# Altium PCB ps32-lite_rev_a_public.pcbdoc (part 1 of 3) (continued)
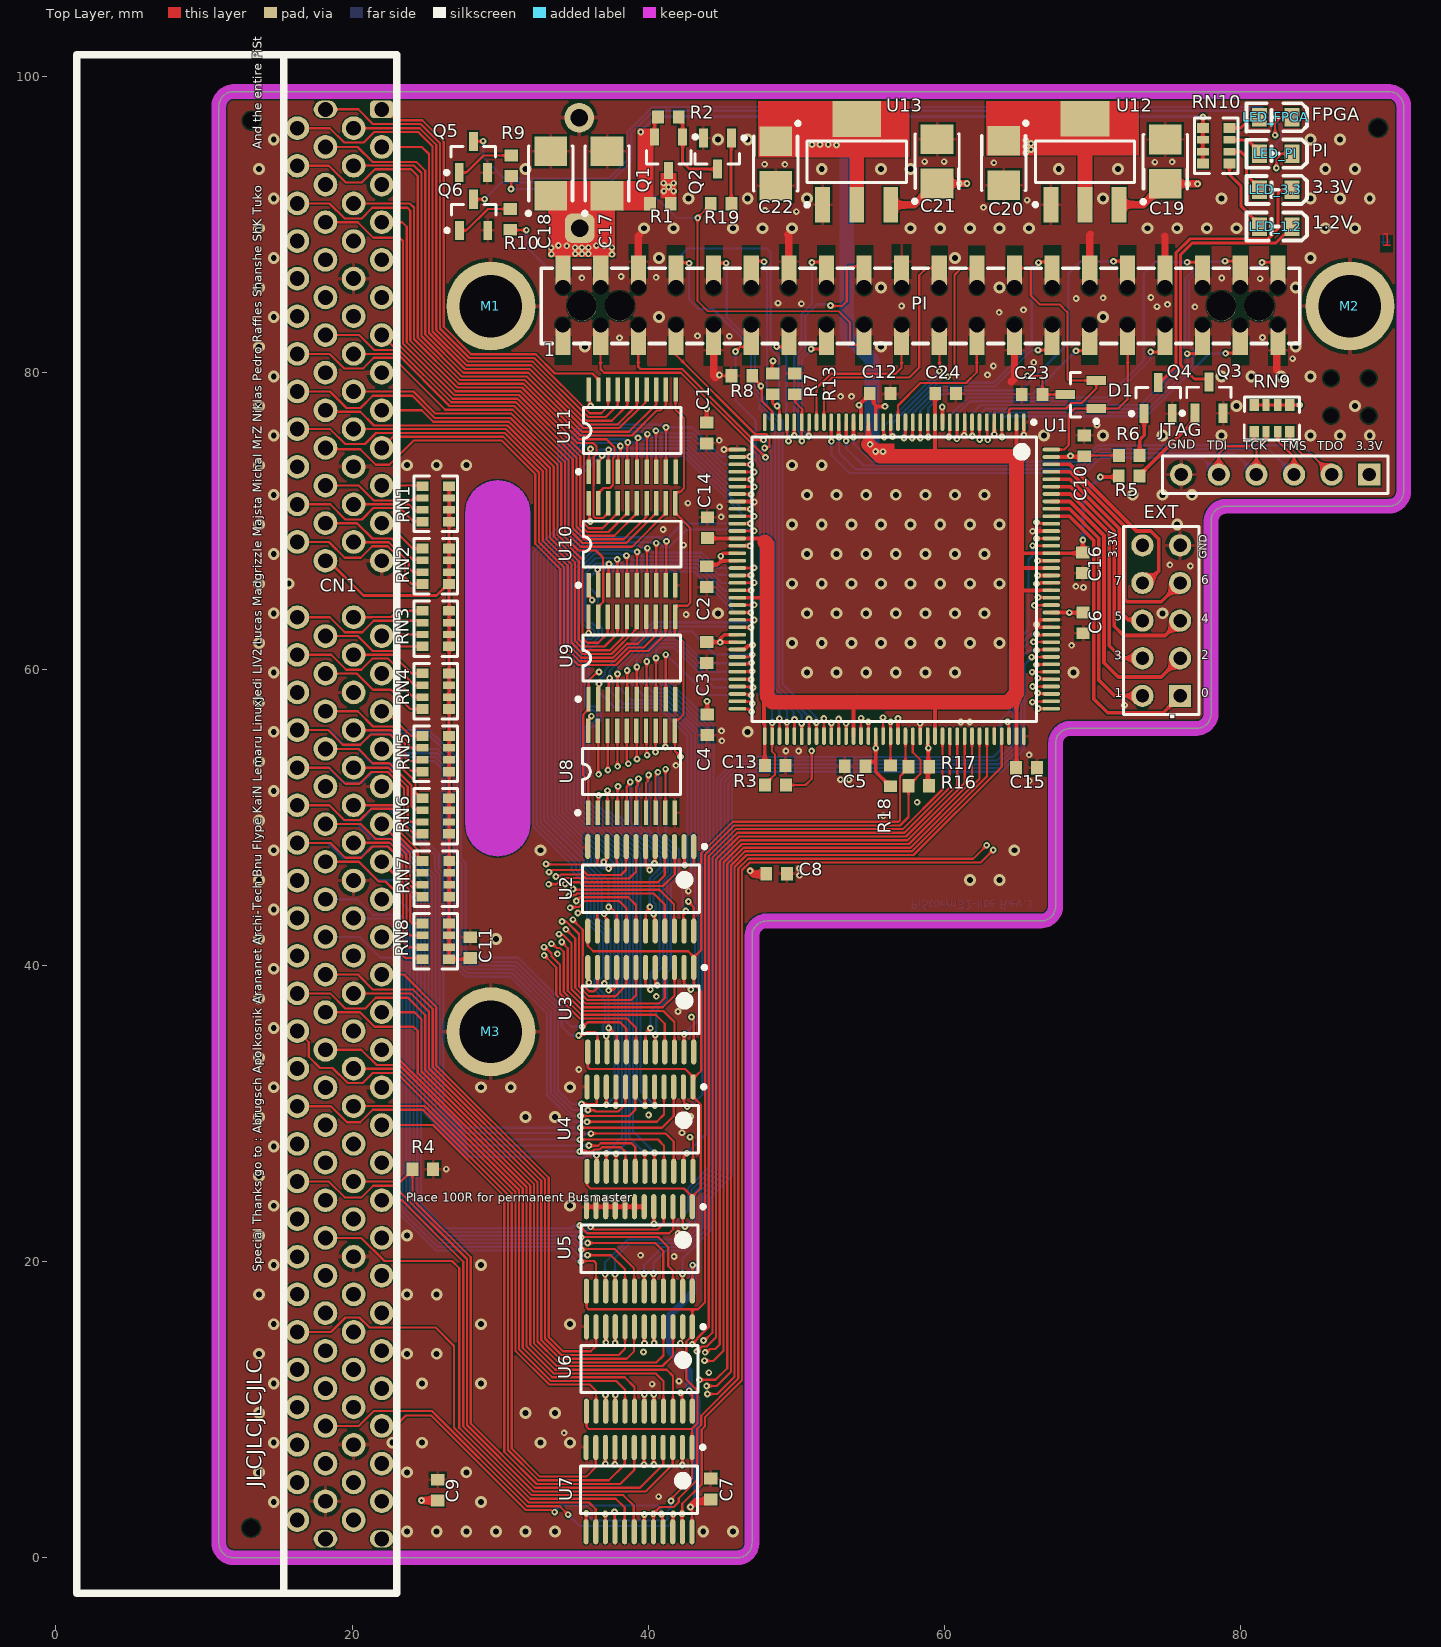
[diagram p0: Top Layer view]
## Footprints (in the part's own frame and the unit in brackets; to place one, negate y for a bottom-side part, rotate by r counter-clockwise, add the part's x,y. Pads: shape width x height; smd on the part's side, far side on the other; paste and mask are expansions set on the pad) (continued)
  silkscreen extent -100.2,-1.02 3.7,20.6, body extent -100.2,-1.02 3.68,20.57, height 8.88
CONN-SMD_FH-00369 [mm]
  rect 1.02x1.8 smd paste-0.068: 1(-24.12,-2.4) 3(-21.58,-2.4) 5(-19.04,-2.4) 7(-16.5,-2.4) 9(-13.96,-2.4) 11(-11.42,-2.4) 13(-8.88,-2.4) 15(-6.34,-2.4) 17(-3.8,-2.4) 19(-1.26,-2.4) 21(1.28,-2.4) 23(3.82,-2.4) 25(6.36,-2.4) 27(8.9,-2.4) 29(11.44,-2.4) 31(13.98,-2.4) 33(16.52,-2.4) 35(19.06,-2.4) 37(21.6,-2.4) 39(24.14,-2.4)
  rect 1.02x2 smd paste-0.071: 2(-24.12,2.4) 4(-21.58,2.4) 6(-19.04,2.4) 8(-16.5,2.4) 10(-13.96,2.4) 12(-11.42,2.4) 14(-8.88,2.4) 16(-6.34,2.4) 18(-3.8,2.4) 20(-1.26,2.4) 22(1.28,2.4) 24(3.82,2.4) 26(6.36,2.4) 28(8.9,2.4) 30(11.44,2.4) 32(13.98,2.4) 34(16.52,2.4) 36(19.06,2.4) 38(21.6,2.4) 40(24.14,2.4)
  round 0 hole 1 unplated: M(-24.141,-1.282) M(-24.119,1.259) M(-21.579,-1.281) M(-21.579,1.259) M(-19.039,-1.281) M(-19.039,1.259) M(-16.499,-1.281) M(-16.499,1.259) M(-13.959,-1.281) M(-13.959,1.259) M(-11.419,-1.281) M(-11.419,1.259) M(-8.879,-1.281) M(-8.879,1.259) M(-6.339,-1.281) M(-6.339,1.259) M(-3.799,-1.281) M(-3.799,1.259) M(-1.259,-1.281) M(-1.259,1.259) M(1.281,-1.281) M(1.281,1.259) M(3.821,-1.281) M(3.821,1.259) M(6.361,-1.281) M(6.361,1.259) M(8.901,-1.281) M(8.901,1.259) M(11.441,-1.281) M(11.441,1.259) M(13.981,-1.281) M(13.981,1.259) M(16.521,-1.281) M(16.521,1.259) M(19.061,-1.281) M(19.061,1.259) M(21.601,-1.281) M(21.601,1.259) M(24.141,-1.281) M(24.141,1.259)
  round 2 hole 2 unplated: M(-22.85,0) M(-20.311,0) M(20.329,0) M(22.87,0)
  silkscreen extent -25.59,-2.54 25.61,2.54
HDR1X6 [mm] "Connector; Header; 6 Position"
  rect 1.5x1.5 hole 0.9: 1(0,0)
  round 1.5 hole 0.9: 2(2.54,0) 3(5.08,0) 4(7.62,0) 5(10.16,0) 6(12.7,0)
  silkscreen extent -1.27,-1.27 13.97,1.27
HDR2X5 [mm] "Connector; Header; 5x2 Position"
  rect 1.5x1.5 hole 0.9: 1(0,0)
  round 1.5 hole 0.9: 2(0,2.54) 3(2.54,0) 4(2.54,2.54) 5(5.08,0) 6(5.08,2.54) 7(7.62,0) 8(7.62,2.54) 9(10.16,0) 10(10.16,2.54)
  silkscreen extent -1.27,-1.27 11.43,3.81
LED0805-RD [mm]
  rect 1x1.25 smd: 1(-1.1,0) 2(1.1,0)
  silkscreen extent -2.1,-0.95 1.98,0.96
LQFP144 [mm] "TSQFP, 144-Leads, Body 20,00x20,00mm, Pitch 0,50mm, IPC High Density"
  oval 1.2x0.25 smd: 1(-10.6,8.75) 2(-10.6,8.25) 3(-10.6,7.75) 4(-10.6,7.25) 5(-10.6,6.75) 6(-10.6,6.25) 7(-10.6,5.75) 8(-10.6,5.25) 9(-10.6,4.75) 10(-10.6,4.25) 11(-10.6,3.75) 12(-10.6,3.25) 13(-10.6,2.75) 14(-10.6,2.25) 15(-10.6,1.75) 16(-10.6,1.25) 17(-10.6,0.75) 18(-10.6,0.25) 19(-10.6,-0.25) 20(-10.6,-0.75) 21(-10.6,-1.25) 22(-10.6,-1.75) 23(-10.6,-2.25) 24(-10.6,-2.75) 25(-10.6,-3.25) 26(-10.6,-3.75) 27(-10.6,-4.25) 28(-10.6,-4.75) 29(-10.6,-5.25) 30(-10.6,-5.75) 31(-10.6,-6.25) 32(-10.6,-6.75) 33(-10.6,-7.25) 34(-10.6,-7.75) 35(-10.6,-8.25) 36(-10.6,-8.75) 73(10.6,-8.75) 74(10.6,-8.25) 75(10.6,-7.75) 76(10.6,-7.25) 77(10.6,-6.75) 78(10.6,-6.25) 79(10.6,-5.75) 80(10.6,-5.25) 81(10.6,-4.75) 82(10.6,-4.25) 83(10.6,-3.75) 84(10.6,-3.25) 85(10.6,-2.75) 86(10.6,-2.25) 87(10.6,-1.75) 88(10.6,-1.25) 89(10.6,-0.75) 90(10.6,-0.25) 91(10.6,0.25) 92(10.6,0.75) 93(10.6,1.25) 94(10.6,1.75) 95(10.6,2.25) 96(10.6,2.75) 97(10.6,3.25) 98(10.6,3.75) 99(10.6,4.25) 100(10.6,4.75) 101(10.6,5.25) 102(10.6,5.75) 103(10.6,6.25) 104(10.6,6.75) 105(10.6,7.25) 106(10.6,7.75) 107(10.6,8.25) 108(10.6,8.75)
  oval 0.25x1.2 smd: 37(-8.75,-10.6) 38(-8.25,-10.6) 39(-7.75,-10.6) 40(-7.25,-10.6) 41(-6.75,-10.6) 42(-6.25,-10.6) 43(-5.75,-10.6) 44(-5.25,-10.6) 45(-4.75,-10.6) 46(-4.25,-10.6) 47(-3.75,-10.6) 48(-3.25,-10.6) 49(-2.75,-10.6) 50(-2.25,-10.6) 51(-1.75,-10.6) 52(-1.25,-10.6) 53(-0.75,-10.6) 54(-0.25,-10.6) 55(0.25,-10.6) 56(0.75,-10.6) 57(1.25,-10.6) 58(1.75,-10.6) 59(2.25,-10.6) 60(2.75,-10.6) 61(3.25,-10.6) 62(3.75,-10.6) 63(4.25,-10.6) 64(4.75,-10.6) 65(5.25,-10.6) 66(5.75,-10.6) 67(6.25,-10.6) 68(6.75,-10.6) 69(7.25,-10.6) 70(7.75,-10.6) 71(8.25,-10.6) 72(8.75,-10.6) 109(8.75,10.6) 110(8.25,10.6) 111(7.75,10.6) 112(7.25,10.6) 113(6.75,10.6) 114(6.25,10.6) 115(5.75,10.6) 116(5.25,10.6) 117(4.75,10.6) 118(4.25,10.6) 119(3.75,10.6) 120(3.25,10.6) 121(2.75,10.6) 122(2.25,10.6) 123(1.75,10.6) 124(1.25,10.6) 125(0.75,10.6) 126(0.25,10.6) 127(-0.25,10.6) 128(-0.75,10.6) 129(-1.25,10.6) 130(-1.75,10.6) 131(-2.25,10.6) 132(-2.75,10.6) 133(-3.25,10.6) 134(-3.75,10.6) 135(-4.25,10.6) 136(-4.75,10.6) 137(-5.25,10.6) 138(-5.75,10.6) 139(-6.25,10.6) 140(-6.75,10.6) 141(-7.25,10.6) 142(-7.75,10.6) 143(-8.25,10.6) 144(-8.75,10.6)
  silkscreen extent -10.72,-9.6 9.6,9.6, body extent -11,-11 11,11, height 2
Micro3_N [mm] "SOT23, 3-Leads, Body 2.9x1.3mm, Pitch 0.95mm, Lead Span 2.3mm, IPC Medium Density"
  rect 1.15x0.6 smd: 1(-1.125,0.95) 2(-1.125,-0.95) 3(1.125,0)
  silkscreen extent -1.25,-1.5 0.7,1.93, body extent -0.7,-1.5 0.7,1.5, height 1.12
MP04A_N [mm] "SOT223, 4-Leads, Body 6.5x3.5mm, Pitch 2.3mm, Lead Span 7mm, IPC Medium Density"
  rect 2.4x1 smd: 1(-2.9,2.3) 2(-2.9,0) 3(-2.9,-2.3)
  rect 2.4x3.3 smd: 4(2.9,0)
  silkscreen extent -3.02,-3.35 1.4,3.47, body extent -1.85,-3.35 1.85,3.35, height 1.8
PW020 [mm] "Shrink Small Outline; 20 Leads; Body Width 4.4 mm; Pitch 0.65 mm"
  rect 0.3x1.65 smd: 1(-2.925,-2.775) 2(-2.275,-2.775) 3(-1.625,-2.775) 4(-0.975,-2.775) 5(-0.325,-2.775) 6(0.325,-2.775) 7(0.975,-2.775) 8(1.625,-2.775) 9(2.275,-2.775) 10(2.925,-2.775) 11(2.925,2.775) 12(2.275,2.775) 13(1.625,2.775) 14(0.975,2.775) 15(0.325,2.775) 16(-0.325,2.775) 17(-0.975,2.775) 18(-1.625,2.775) 19(-2.275,2.775) 20(-2.925,2.775)
  silkscreen extent -3.75,-2.9 3.3,1.55
PW024_N [mm]
  oval 1.7x0.35 smd: 1(-2.85,3.575) 2(-2.85,2.925) 3(-2.85,2.275) 4(-2.85,1.625) 5(-2.85,0.975) 6(-2.85,0.325) 7(-2.85,-0.325) 8(-2.85,-0.975) 9(-2.85,-1.625) 10(-2.85,-2.275) 11(-2.85,-2.925) 12(-2.85,-3.575) 13(2.85,-3.575) 14(2.85,-2.925) 15(2.85,-2.275) 16(2.85,-1.625) 17(2.85,-0.975) 18(2.85,-0.325) 19(2.85,0.325) 20(2.85,0.975) 21(2.85,1.625) 22(2.85,2.275) 23(2.85,2.925) 24(2.85,3.575)
  silkscreen extent -2.97,-3.95 1.6,4.43, body extent -2.25,-3.95 2.25,3.95, height 1.2
RES-ARRAY-SMD_0603-8P-L3.2-W1.6-BL [mm]
  rect 0.65x0.8 smd: 1(-1.2,-0.9) 4(1.2,-0.9) 5(1.2,0.9) 8(-1.2,0.9)
  rect 0.5x0.8 smd: 2(-0.4,-0.9) 3(0.4,-0.9) 6(0.4,0.9) 7(-0.4,0.9)
  silkscreen extent -1.87,-1.45 1.87,1.47
SOT23_N [mm] "SOT23, 3-Leads, Body 2.9x1.3mm, Pitch 0.95mm, Lead Span 2.3mm, IPC Medium Density"
  rect 1.3x0.6 smd: 1(-1.05,0.95) 2(-1.05,-0.95) 3(1.05,0)
  silkscreen extent -1.18,-1.5 0.7,1.92, body extent -0.7,-1.5 0.7,1.5, height 1.1
T [mm] "Capacitor, SM Tantalum; Body 3.5 x 2.8 mm (LxW typ)"
  rect 2x2.2 smd: 1(-1.5,0) 2(1.5,0)
  silkscreen extent -2.82,-1.5 1.85,1.62

## Part data
C1 C2 C3 C4 C5 C6 C7 C8 C9 C10 C11 C12 C13 C14 C15 C16 C23 C24: "Capacitor (Semiconductor SIM Model)", LatestRevisionDate=29-May-2009, LatestRevisionNote="IPC-7351 Footprint Added.", PackageDescription="Chip Capacitor", PackageReference=C1206, Published=8-Jun-2000, Publisher="Altium Limited"
C17 C18 C19 C20 C21 C22: library part T491T, "Solid Tantalum Chip Capacitor, Low Profile T491 Series - Industrial Grade", PackageDocument=Mar-2001, Code_JEITA=3528-12, ComponentLink1Description="Manufacturer Link", ComponentLink1URL=http://www.kemet.com/, ComponentLink2Description=Datasheet, ComponentLink2URL=http://www.kemet.com/kemet/web/homepage/kechome.nsf/vapubfilesname/F3102TA.pdf/$file/F3102TA.pdf, DatasheetDocument=Mar-2001, LatestRevisionDate=19-Mar-2004, LatestRevisionNote="Silkscreen dimensions re-sized.", PackageReference=T, Published=17-Jul-2002, Publisher="Altium Limited"
CN1: library part A1200-EXPANSION_SLOT-SMALL-HOLES
D1: "Schottky Barrier Double Diode", ComponentLink1Description="Manufacturer Link", ComponentLink1URL=http://www.semiconductors.philips.com/, ComponentLink2Description=Datasheet, ComponentLink2URL=http://www.semiconductors.philips.com/acrobat/datasheets/BAT54_SERIES_4.pdf, DatasheetVersion=4-Mar-2002, LatestRevisionDate=12-Dec-2006, LatestRevisionNote="IPC-7351 Footprint Added.", PackageDescription="3-Pin SOT-23 Package 0.95 mm Pitch, 2.3 mm Lead Span", PackageReference=SOT23, PackageVersion=May-1999, Published=17-Sep-2003, Publisher="Altium Limited"
EXT: "Header, 5-Pin, Dual row", LatestRevisionDate=17-Jul-2002, LatestRevisionNote="Re-released for DXP Platform.", Publisher="Altium Limited"
JTAG: "Header, 6-Pin", LatestRevisionDate=17-Jul-2002, LatestRevisionNote="Re-released for DXP Platform.", Publisher="Altium Limited"
LED_1.2 LED_3.3 LED_FPGA LED_PI: BOM_JLCPCB Part Class="Basic Part", BOM_Manufacturer=NATIONSTAR, BOM_Manufacturer Part=FC-2012HRK-620D, BOM_Supplier=LCSC, BOM_Supplier Part=C84256, spicePre=L, spiceSymbolName=FC-2012HRK-620D
M1 M2 M3: library part Plug, "Plug", LatestRevisionDate=17-Jul-2002, LatestRevisionNote="Re-released for DXP Platform.", Publisher="Altium Limited"
PI: "Header, 20-Pin, Dual row", LatestRevisionDate=17-Jul-2002, LatestRevisionNote="Re-released for DXP Platform.", Publisher="Altium Limited"
Q1: "HEXFET Power MOSFET", ComponentLink1Description="Manufacturer Link", ComponentLink1URL=http://www.irf.com/, ComponentLink2Description=Datasheet, ComponentLink2URL=http://www.irf.com/product-info/datasheets/data/IRLML6401.pdf, DatasheetVersion=2-Jul-2001, PackageDescription="3-Pin SOT-23 Package 0.95 mm Pitch, 2.3 mm Lead Span", PackageReference=Micro3, PackageVersion=Jul-2001, Published=17-Sep-2003, Publisher="Altium Limited"
Q2 Q3 Q4 Q5 Q6: "NPN General-purpose Transistor", ComponentLink1Description="Manufacturer Link", ComponentLink1URL=http://www.semiconductors.philips.com/, ComponentLink2Description=Datasheet, ComponentLink2URL=http://www.semiconductors.philips.com/acrobat/datasheets/BC846_BC847_BC848_5.pdf, DatasheetVersion=4-Feb-2002, LatestRevisionDate=12-Dec-2006, LatestRevisionNote="IPC-7351 Footprint Added.", PackageDescription="3-Pin SOT-23 Package 0.95 mm Pitch, 2.3 mm Lead Span", PackageReference=SOT23, PackageVersion=May-1999, Published=17-Sep-2003, Publisher="Altium Limited"
R1 R2 R3 R4 R5 R6 R7 R8 R9 R10 R13 R19: "Widerstand", max  Betriebstemperatur="155 °C", min  Betriebstemperatur="-55 °C", Temperaturkoeffizient="100 PPM/K", Toleranz="1,00 %", AEC-Q="200 - Passive Components", Artikel=E0424-846-00, Bauform=0402, ComponentLink1Description=Datasheet, ComponentLink1URL="z.B. http://www.", HelpURL=http://de.wikipedia.org/wiki/Widerstand_(Bauelement), Materialart=KAUF, Materialkurztext="WID-ME-SMD 10K 0402 1% TK100", Materialstatus=30, Montagetechnik="SMT (Surface Mount Technology)", Nennleistung P(n)="0,0625 W", Nennspannung U(n)="50,00 V", Nennwiderstand R(n) in Ohm="10.000,0000 Ohm", ROHS-Konformitaet=RoHS-Konform, Technologie=Metalloxid, Verpackungsart="TR (Tape & Reel)", Verpackungseinheit=10.000
  R1: Bauteiltyp (Altium)=NB
  R2 R4 R5 R6 R7 R8 R9 R10 R19: Bauteiltyp (Altium)="10K 1%"
  R3 R13: Bauteiltyp (Altium)=1K
R16 R17 R18: library part 004-00008, "RES 22 OHM 1/16W 5% 0402", Manufacturer1="Stackpole Electronics", Manufacturer1 Part Number=RMCF0402JT22R0, Package="1005, EIA 0402, Chip Resistor, 2-Leads, Body 1.00x0.50mm, IPC High Density", Part Number=009-00020, Power=1/16W, Tolerance=0.05
RN1 RN2 RN3 RN4 RN5 RN6 RN7 RN8 RN9: BOM_JLCPCB Part Class="Basic Part", BOM_Manufacturer=UniOhm, BOM_Manufacturer Part=4D03WGJ0103T5E, Resistance (Ohms)=10K, BOM_Supplier=LCSC, BOM_Supplier Part=C29718, nameAlias=Resistance, spicePre=R, spiceSymbolName=4D03WGJ0103T5E
RN10: library part 10kΩ, BOM_JLCPCB Part Class="Basic Part", BOM_Manufacturer=UniOhm, BOM_Manufacturer Part=4D03WGJ0103T5E, Resistance (Ohms)=10K, BOM_Supplier=LCSC, BOM_Supplier Part=C29718, nameAlias=Resistance, spicePre=R, spiceSymbolName=4D03WGJ0103T5E
U2 U3 U4 U5 U6 U7: "10-Bit FET Bus Switch with Level Shifting", ComponentAvailability=Obsolete, ComponentLink1Description="Manufacturer Link", ComponentLink1URL=http://www.ti.com/, ComponentLink2Description=Datasheet, ComponentLink2URL=http://www-s.ti.com/sc/ds/sn74cbtd3384.pdf, DatasheetVersion=Nov-1998, LatestRevisionDate=16-Oct-2006, LatestRevisionNote="IPC-7351 Footprint Added.", PackageDescription="24-Pin Thin Small Outline Package 0.65 mm Pitch", PackageReference=PW024, PackageVersion=Feb-1999, Published=8-Jun-2000, Publisher="Altium Limited"
U8 U9 U10 U11: "Octal Transparent D-Type Latch with 3-State Outputs", ComponentAvailability=Obsolete, ComponentLink1Description="Manufacturer Link", ComponentLink1URL=http://www.ti.com/, ComponentLink2Description=Datasheet, ComponentLink2URL=http://www-s.ti.com/sc/ds/sn74lvc573a.pdf, DatasheetVersion=Jun-1998, LatestRevisionDate=04-Mar-2005, LatestRevisionNote="Stylized 3D Model Added.", PackageDescription="Shrink Small Outline; 20 Leads; Body Width 4.4 mm; Pitch 0.65 mm", PackageReference=PW020, PackageVersion=Feb-1999, Published=8-Jun-2000, Publisher="Altium Limited"
U12 U13: library part LM1117IMPX-3.3, "800mA Low-Dropout Linear Regulator, 4-pin SOT-223", Manufacturer="National Semiconductor", PackageTopMarking=XYTT*N05B, PowerWise=N, Code_IPC=SOT223-4, Code_JEDEC=TO-261-AA, ComponentLink1Description="LM1117 Datasheet", ComponentLink1URL=http://www.national.com/ds/LM/LM1117.pdf, ComponentLink2Description="LM1117 Web Page", ComponentLink2URL=http://www.national.com/pf/LM/LM1117.html, ComponentLink3Description="MP04A Package Page", ComponentLink3URL=http://www.national.com/packaging/folders/mp04a.html, CompType="LDO IC", DatasheetVersion=Apr-2006, PackageDescription="Molded SOT-223, 6.50 x 3.56 x 1.6mm Body, 4 Lead, 2.3mm Pitch", PackageReference=MP04A, PackageVersion="revB, Apr-2003", PartNumber=LM1117IMPX-3.3, PinCount=4, Published=1-Mar-2010, Publisher="Altium Limited", RoHS=N
U1: SPLIT_INST=TRUE, SWAP_INFO=(S1+S2+S3+S4+S5+S6+S7+S8+S9+S10+S11+S12+S13+S14)

## Free pads (board coordinates)
  rrect50% 2x2 hole 1.2 paste+0.148: 2(35.366,89.779)
  round 0 hole 1 unplated: 44(88.637,79.646) 45(88.637,77.106) 46(86.097,77.106) 47(86.092,79.641)
  round 0 hole 1.152 unplated paste+0.148: 49(13.172,2.016) 49(13.214,97.036) 49(89.277,96.544)
  round 2 hole 1.2 paste+0.148: 50(35.329,97.232)

## Via types
v1: diameter 0.45, hole 0.2, Top Layer to Bottom Layer, tented both sides, 430 vias
v2: diameter 0.8, hole 0.4, Top Layer to Bottom Layer, tented both sides, 210 vias

## Nets (pads, with @x,y where several pads share a name; then routed paths per layer and width w, separated by ;. In a path a pad name is that pad's centre, name@x,y a point inside that pad or via, vN(x,y) a via of type N, cw(c..) or ccw(c..) an arc to the next point about the centre after c; other vN are vias at no path point)
+5: C7.2 C8.2 C9.2 C11.2 C17.1 C18.1 CN1.P$10 CN1.P$20 CN1.P$30 CN1.P$40 CN1.P$50 CN1.P$60 CN1.P$70 CN1.P$80 CN1.P$102 CN1.P$120 CN1.P$140 pad.2 PI.2 PI.4 Q1.2 R1.2 R2.2 RN1.1 RN1.2 RN1.3 RN1.4 RN2.1 RN2.2 RN2.3 RN2.4 RN3.1 RN3.2 RN3.3 RN3.4 RN4.1 RN4.2 RN4.3 RN4.4 RN5.1 RN5.2 RN5.3 RN5.4 RN6.1 RN6.2 RN6.3 RN6.4 RN7.1 RN7.2 RN7.3 RN7.4 RN8.1 RN8.2 RN8.3 RN8.4 RN10.1 RN10.2 RN10.3 RN10.4 U2.24 U3.24 U4.24 U5.24 U6.24 U7.24 | length 174.3
  Top Layer w0.15: v1(42.701,44.313) 42.701,44.303 43.064,43.94 U2.24@43.064,42.323 ; v1(42.752,11.281) 42.752,11.214 42.969,10.996 U6.24@42.969,9.9 ; v1(42.814,28.398) 43.014,28.198 U4.24@43.014,26.096 ; v1@42.829,3.414 42.95,3.293 U7.24@42.95,1.755 ; U5.24@42.969,18.007 42.983,18.02 42.983,19.745 v1(42.996,19.759) ; U3.24@43.062,34.159 43.062,36.301
  Top Layer w0.2: CN1.P$50@18.2,67.32 18.407,67.32 20.759,64.968 25.693,64.968 26.476,65.752 RN2.1@26.551,65.752 ; RN8.1@26.551,40.427 RN8.2@26.551,41.227 RN8.3@26.551,42.027 RN6.2@26.551,49.681 RN6.3@26.551,50.481 RN5.2@26.551,53.885 RN5.3@26.551,54.685 RN4.2@26.551,58.113 RN4.3@26.551,58.913 RN3.2@26.551,62.339 RN3.3@26.551,63.139 RN2.2@26.551,66.552 RN2.3@26.551,67.352 RN1.2@26.551,70.759 RN1.3@26.551,71.559 RN1.4@26.551,72.359 ; RN8.1@26.554,40.424 C11.2@27.894,40.424 ; Q1.2@40.416,95.937 40.416,97.048 R2.2@40.658,97.289 ; RN10.4@77.44,94.145 RN10.1@77.44,96.545 77.456,96.561 v1(77.456,97.279)
  Top Layer w0.5: v1@24.689,3.878 24.695,3.872 C9.2@25.781,3.872 ; RN8.1@26.551,40.352 26.554,40.354 RN8.1@26.554,40.424 ; C11.2@27.894,40.424 C11.2@27.969,40.499 ; v1(42.842,3.433) 43.205,3.796 44.074,3.796 C7.2@44.224,3.946 ; v1(46.873,46.381) 47.101,46.153 47.808,46.153 47.879,46.082 C8.2@47.879,46.039
  Int1 (GND) w0.2: pad.2@35.366,89.779 35.506,89.639 v1(35.506,88.461)
  Int2 (PWR) w0.5: 23.614,0.85 42.206,0.85 42.842,1.487 v1(42.842,3.433) ; v1(42.996,19.759) 43.673,20.436 43.673,27.516 42.814,28.375 v1(42.814,28.398) 43.678,29.262 43.678,35.764 42.928,36.514 v1(42.917,36.514) 43.691,37.288 43.691,44.176 43.555,44.313 ; 43.398,44.313 v1(42.701,44.313) 43.791,44.313 45.859,46.381 v1(46.873,46.381)
  Bottom Layer w0.2: v1(39.488,96.272) 39.488,96.312 40.49,97.314 77.421,97.314 v1(77.456,97.279)
  Bottom Layer w0.5: v1(42.842,3.433) 43.281,3.872 43.281,10.752 v1(42.752,11.281) 42.752,12.608 41.433,13.927 41.433,16.362 42.996,17.926 v1(42.996,19.759)
  other v1: 24.684,3.868 33.449,88.02 37.544,88.015 35.506,88.042 35.947,88.044 35.064,88.051 33.433,88.455 35.061,88.466 35.949,88.458 37.536,88.458 34.49,88.589 36.487,88.599 37.034,88.605 33.919,88.611
+12: CN1.P$149
ADDR_LE: U1.89 U8.11 U9.11 U10.11 U11.11 | length 60.2
  Top Layer w0.15: U11.11@41.836,78.887 41.836,77.526 42.41,76.951 42.41,72.208 42.167,71.965 41.904,71.965 41.829,71.89 41.829,70.54 42.834,69.534 42.834,64.47 42.641,64.276 41.886,64.276 41.811,64.201 U9.11@41.811,63.526 41.79,63.506 41.79,62.422 42.366,61.847 42.366,56.915 42.056,56.606 41.867,56.606 41.792,56.531 U8.11@41.792,55.856 41.792,54.47 42.171,54.092 v1(42.176,54.092) ; v1(55.848,56.732) 55.853,56.727 55.853,55.483 U1.89@55.858,55.478
  Int2 (PWR) w0.15: v1(42.176,54.092) 37.172,52.223 37.164,52.219 36.515,51.884 36.43,51.83 36.242,51.697 36.232,51.689 36.179,51.636 36.179,51.255 36.239,51.194 36.26,51.184 36.473,51.074 54.451,51.074 55.859,52.482 55.859,56.721 v1(55.848,56.732)
ADDR_OE: R18.1 U1.90 U8.1 U9.1 U10.1 U11.1 | length 75.6
  Top Layer w0.15: U8.1@35.942,50.306 35.942,52.501 35.6,52.843 35.6,56.94 35.961,57.301 U9.1@35.961,57.976 35.961,59.224 36.435,59.699 36.476,59.699 36.584,59.806 v1(36.665,59.806) ; U10.1@35.979,65.665 35.979,64.99 36.15,64.819 36.15,64.719 v1(36.207,64.661) ; U11.1@35.986,73.337 35.986,74.687 36.097,74.798 v1(36.097,74.879) ; v1@56.357,56.442 U1.90@56.358,55.478 56.358,53.515 R18.1@56.38,53.493
  Int2 (PWR) w0.15: v1(36.097,74.879) 36.097,74.829 35.474,74.206 35.474,65.445 36.207,64.712 v1(36.207,64.661) 35.462,63.916 35.462,60.315 35.97,59.806 ; v1(36.665,59.806) 36.577,59.806 35.97,59.806 ; v1(56.357,56.443) 56.371,56.429 56.371,52.64 54.553,50.822 36.382,50.822 36.131,50.958 36.118,50.962 35.929,51.151 35.929,51.74 36.093,51.904 36.121,51.924 36.187,51.971 36.404,52.11 36.41,52.114 37.034,52.439 37.111,52.473 41.708,54.192 41.752,54.215 41.796,54.259 41.796,54.836 41.464,55.169 37.241,55.169 35.512,56.898 35.512,59.348 35.97,59.806
AS: U1.99 U6.6 | length 60.7
  Top Layer w0.15: v1@39.732,14.514 U6.6@39.732,15.744 ; v1(43.281,13.94) 43.609,14.269 43.942,14.269 44.575,14.901 44.575,47.159 46.116,48.701 57.393,48.701 60.858,52.165 U1.99@60.858,55.478
  Int2 (PWR) w0.15: v1(39.736,14.488) 40.377,13.847 42.766,13.847 42.841,13.922 43.262,13.922 v1(43.281,13.94)
AVEC: U1.123 U6.15 | length 78.2
  Top Layer w0.15: U6.15@37.105,9.789 37.109,9.793 37.109,10.987 v1(37.105,10.991) ; v1(66.071,64.311) 66.08,64.319 67.199,64.319 U1.123@67.208,64.328
  Int2 (PWR) w0.15: v1(37.105,10.991) 37.105,11.954 38.068,12.917 43.954,12.917 44.238,13.2 44.238,43.435 44.238,43.992 45.92,45.675 46.478,45.675 56.214,45.675 62.106,51.567 62.106,59.278 63.4,60.572 65.286,60.572 65.401,60.688 65.401,62.862 66.071,63.532 v1(66.071,64.311)
BERR: U1.102 U6.23 | length 61.8
  Top Layer w0.15: v1(42.177,11.143) 42.177,11.055 42.281,10.95 42.281,9.872 U6.23@42.287,9.866 ; v1(43.441,12.013) 43.444,12.017 44.539,12.017 45.325,12.802 45.325,46.848 46.427,47.951 57.704,47.951 62.358,52.604 U1.102@62.358,55.478
  Int2 (PWR) w0.15: v1(42.177,11.143) 42.234,11.2 42.234,11.405 42.473,11.644 42.473,11.944 42.561,12.032 43.422,12.032 v1(43.441,12.013)
BG: U1.111 U7.2 | length 72.4
  Top Layer w0.15: v1@42.306,6.318 U7.2@42.306,7.547 ; v1(66.279,58.388) 66.32,58.347 67.188,58.347 U1.111@67.208,58.328
  Int2 (PWR) w0.15: v1(42.298,6.266) 42.298,8.798 42.521,9.022 44.331,9.022 45.488,10.178 45.488,43.475 46.438,44.425 56.732,44.425 63.356,51.049 63.356,57.326 64.418,58.388 v1(66.279,58.388)
BGACK: U1.106 U7.19 | length 74.3
  Top Layer w0.15: v1(39.731,2.922) 39.735,2.917 39.735,1.769 U7.19@39.74,1.764 ; v1(64.256,56.446) 64.256,56.365 64.338,56.282 64.338,55.497 U1.106@64.358,55.478
  Int2 (PWR) w0.15: v1(39.731,2.922) 39.778,2.969 39.778,4.755 40.055,5.032 44.194,5.032 46.238,7.076 46.238,43.164 46.749,43.675 57.043,43.675 64.256,50.888 v1(64.256,56.446)
BR: U1.112 U7.5 | length 74.7
  Top Layer w0.15: v1@40.356,6.318 U7.5@40.356,7.547 ; v1@65.947,58.828 U1.112@67.207,58.828
  Int2 (PWR) w0.15: v1(40.37,6.304) 40.37,8.952 40.689,9.272 44.228,9.272 45.238,10.282 45.238,43.578 46.335,44.675 46.892,44.675 56.628,44.675 63.106,51.153 63.106,57.73 64.203,58.827 v1(65.947,58.827)
CDONE: R7.1 R10.2 U1.34 | length 32.8
  Top Layer w0.15: R10.2@30.683,89.676 30.713,89.646 v1(31.758,89.646) ; R7.1@48.39,78.564 48.39,77.939 48.515,77.813 48.653,77.813 v1(48.701,77.765) 48.701,77.722 48.858,77.565 U1.34@48.858,76.678
  Bottom Layer w0.15: v1(31.758,89.646) 31.758,88.52 33.152,87.126 41.372,87.126 42.589,88.342 42.589,88.408 47.995,88.408 48.248,88.155 48.248,87.097 48.268,87.078 48.268,81.609 48.833,81.044 48.833,77.979 48.701,77.846 v1(48.701,77.765)
CPU_CLK: U1.124 U6.16 | length 83.8
  Top Layer w0.15: U6.16@37.755,9.789 37.765,9.799 37.765,10.989 v1(37.767,10.991) ; v1(66.313,64.851) 66.325,64.84 67.196,64.84 U1.124@67.208,64.828
  Int1 (GND) w0.3: v1(44.088,12.498) 45.021,12.498 45.716,13.193 45.716,43.211 46.878,44.374 65.762,44.374 66.198,44.81 66.198,55.905 67.133,56.84 67.133,64.032 v1(66.313,64.851) v1@66.285,64.823
  Int2 (PWR) w0.15: v1(37.767,10.991) 37.767,12.263 38.171,12.667 43.873,12.667 44.041,12.498 v1(44.088,12.498)
CRESET: C23.1 D1.3 R8.1 U1.35 | length 25.7
  Top Layer w0.15: R8.1@47.012,79.811 47.012,79.761 47.592,79.181 v1(47.592,79.119) ; v1@47.654,79.119 47.654,78.108 48.358,77.405 U1.35@48.358,76.678 ; v1@65.577,79.803 66.483,79.803 66.613,79.673 C23.1@66.613,78.549 68.139,78.549 D1.3@68.144,78.543
  Int2 (PWR) w0.15: v1(47.592,79.119) 64.893,79.119 v1(65.591,79.817)
  Bottom Layer w0.15: v1(65.591,79.817) v1@65.591,79.838
DA0: U1.69 U5.5 U9.8 | length 55.7
  Top Layer w0.15: U5.5@40.374,23.755 40.374,22.568 v1(40.378,22.564) ; U9.8@40.519,57.932 v1(40.518,60.758) ; U1.69@46.008,58.828 46.027,58.809 47.027,58.809 v1(47.069,58.767)
  Bottom Layer w0.15: v1(40.378,22.564) 41.785,22.564 42.673,23.452 42.673,24.953 44.143,26.424 44.143,56.103 41.338,58.909 40.948,58.909 40.518,59.339 v1(40.518,60.758) 40.518,61.229 40.767,61.478 41.709,61.478 44.42,58.767 v1(47.069,58.767)
DA1: U1.70 U5.2 U9.9 | length 53.1
  Top Layer w0.15: U9.9@41.173,57.935 41.173,60.976 v1(41.177,60.979) ; U5.2@42.323,23.756 42.323,22.548 42.48,22.391 v1(42.48,22.364) ; U1.70@46.008,58.328 46.027,58.309 46.791,58.309 46.871,58.229 v1(46.952,58.229)
  Bottom Layer w0.15: v1(42.48,22.364) 42.923,22.807 42.923,24.85 44.393,26.32 44.393,56.207 41.177,59.424 v1(41.177,60.979) 41.23,60.979 43.955,58.254 46.928,58.254 v1(46.952,58.229)
DA2: U1.53 U4.15 U10.7 | length 60
  Top Layer w0.15: U4.15@37.156,26.116 37.16,26.12 37.16,27.314 v1(37.156,27.318) ; U10.7@39.878,65.684 39.906,65.711 39.906,68.143 v1(39.933,68.17) ; U1.53@46.008,66.828 46.018,66.839 47.213,66.839 v1@47.224,66.85
  Bottom Layer w0.15: v1(37.156,27.318) 37.156,27.337 38.217,28.398 38.217,47.061 34.712,50.567 34.712,66.842 36.19,68.32 39.415,68.32 39.508,68.227 39.875,68.227 v1(39.933,68.17) ; v1@39.974,68.138 39.99,68.138 40.262,67.866 43.611,67.866 44.651,66.827 v1@47.202,66.827
  other v1: 47.151,66.85
DA3: U1.54 U4.16 U10.6 | length 58.7
  Top Layer w0.15: U4.16@37.816,26.126 37.815,26.127 v1(37.816,27.293) v1(37.816,27.293) ; U10.6@39.222,65.672 39.239,65.69 39.239,67.909 v1(39.25,67.92) ; U1.54@46.008,66.328 46.017,66.338 46.918,66.338 v1(46.927,66.347)
  Bottom Layer w0.15: v1(37.816,27.293) 37.816,27.316 38.467,27.968 38.467,47.165 34.962,50.67 34.962,66.738 36.293,68.07 38.69,68.07 38.8,67.96 39.209,67.96 v1(39.25,67.92) ; v1@39.307,67.888 39.579,67.616 43.508,67.616 44.754,66.37 46.904,66.37 v1(46.927,66.347)
DA4: U1.55 U4.19 U10.5 | length 59
  Top Layer w0.15: v1(38.524,67.67) 38.551,67.642 38.551,65.691 U10.5@38.571,65.672 ; U4.19@39.756,26.116 v1@39.756,27.337 ; U1.55@46.008,65.828 46.014,65.835 47.232,65.835 v1@47.239,65.841
  Bottom Layer w0.15: v1(38.524,67.67) 38.467,67.727 38.152,67.727 38.059,67.82 36.397,67.82 35.212,66.635 35.212,50.774 38.717,47.268 38.717,28.384 v1(39.762,27.34) ; v1@38.546,67.649 38.651,67.649 38.948,67.353 43.418,67.353 44.947,65.823 47.221,65.823 v1@47.239,65.841
  other v1: 47.151,65.841
DA5: U1.56 U4.20 U10.4 | length 59
  Top Layer w0.15: v1(37.894,67.42) 37.911,67.402 37.911,65.686 U10.4@37.923,65.674 ; U4.20@40.406,26.116 v1@40.406,27.337 ; U1.56@46.008,65.328 46.01,65.326 46.946,65.326 v1(46.948,65.323)
  Bottom Layer w0.15: v1(37.894,67.42) 37.836,67.477 37.681,67.477 37.656,67.502 36.433,67.502 35.492,66.561 35.492,63.155 35.782,62.865 36.1,62.865 36.37,62.595 36.37,62.263 36.366,62.259 36.366,62.243 36.151,62.029 35.891,62.029 35.462,61.599 35.462,50.878 38.967,47.372 38.967,28.794 v1(40.419,27.343) ; v1@37.911,67.41 37.911,67.408 38.216,67.103 43.314,67.103 45.101,65.316 46.94,65.316 v1(46.948,65.323)
DA6: U1.68 U4.23 U9.7 | length 49.3
  Top Layer w0.15: U9.7@39.881,57.943 39.881,60.507 v1(39.892,60.518) ; U4.23@42.356,26.116 42.4,26.159 v1@42.4,27.321 ; U1.68@46.008,59.328 46.02,59.316 46.94,59.316 v1(46.952,59.304)
  Bottom Layer w0.15: v1(42.593,27.322) 43.893,28.622 43.893,56 41.234,58.659 40.745,58.659 39.892,59.512 v1(39.892,60.518) 39.904,60.529 39.904,60.968 40.664,61.728 41.813,61.728 44.225,59.315 46.94,59.315 v1(46.952,59.304)
DA7: U1.67 U4.2 U9.6 | length 46.9
  Top Layer w0.15: U9.6@39.22,57.931 39.222,57.934 39.222,60.151 v1(39.224,60.153) ; U4.2@42.375,31.78 42.402,31.752 42.402,30.735 42.626,30.511 v1(42.626,30.459) ; U1.67@46.008,59.828 46.019,59.84 46.997,59.84 v1(47.008,59.851)
  Bottom Layer w0.15: v1(42.626,30.459) 42.684,30.516 42.893,30.516 43.643,31.267 43.643,55.896 41.131,58.409 40.344,58.409 39.222,59.531 39.222,60.151 v1(39.224,60.153) 39.224,60.642 40.56,61.978 41.916,61.978 44.072,59.822 46.979,59.822 v1(47.008,59.851)
DA8: U1.59 U4.5 U10.2 | length 54.8
  Top Layer w0.15: v1(36.579,66.729) 36.604,66.704 36.604,65.706 U10.2@36.63,65.68 ; v1@40.425,30.55 U4.5@40.425,31.78 ; U1.59@46.008,63.828 46.011,63.824 46.918,63.824 v1(46.922,63.82)
  Bottom Layer w0.15: v1(40.438,30.536) 39.467,31.507 39.467,47.579 35.962,51.085 35.962,55.903 36.181,56.122 36.366,56.122 36.803,56.56 36.803,57.098 36.422,57.479 36.139,57.479 35.972,57.647 35.972,61.279 36.222,61.529 36.358,61.529 36.87,62.041 36.87,62.802 36.607,63.064 36.607,64.947 36.02,65.535 36.02,66.17 v1(36.579,66.729) 37.128,66.729 37.205,66.687 37.278,66.646 37.358,66.602 43.088,66.602 45.87,63.82 v1(46.922,63.82)
DA9: U1.58 U4.6 U10.3 | length 56.5
  Top Layer w0.15: U10.3@37.275,65.676 37.311,65.712 37.311,67.07 v1(37.343,67.102) ; v1@39.775,30.55 U4.6@39.775,31.78 ; U1.58@46.008,64.328 46.015,64.336 47.26,64.336 v1@47.268,64.344
  Bottom Layer w0.15: v1(37.343,67.102) 37.302,67.143 36.428,67.143 35.742,66.458 35.742,63.258 35.885,63.115 36.203,63.115 36.62,62.698 36.62,62.144 36.255,61.779 36.057,61.779 35.722,61.444 35.722,57.543 36.036,57.229 36.319,57.229 36.553,56.994 36.553,56.663 36.262,56.372 36.004,56.372 35.712,56.08 35.712,50.981 39.217,47.476 39.217,31.085 v1(39.778,30.524) ; v1@37.364,67.08 37.673,67.08 37.9,66.853 43.21,66.853 45.744,64.319 v1@47.243,64.319
  other v1: 47.151,64.344
DA10: U1.48 U4.9 U10.8 | length 57.1
  Top Layer w0.15: v1(37.804,30.541) 37.809,30.546 37.809,31.764 U4.9@37.814,31.769 ; U10.8@40.52,65.67 40.532,65.682 40.532,68.51 v1(40.534,68.512) ; U1.48@46.008,69.328 46.015,69.335 47.167,69.335 v1@47.174,69.343
  Bottom Layer w0.15: v1(37.804,30.541) 37.811,30.548 37.811,30.871 37.967,31.028 37.967,46.958 34.46,50.465 34.46,53.514 34.462,53.516 34.462,66.945 36.086,68.57 v1@40.477,68.57 ; v1(40.534,68.512) 40.576,68.47 40.829,68.47 41.06,68.239 41.392,68.239 42.59,69.437 46.975,69.437 47.07,69.343 v1(47.151,69.343)
DA11: U1.47 U4.10 U10.9 | length 57.3
  Top Layer w0.15: v1(37.169,30.583) 37.166,30.585 37.166,31.758 U4.10@37.169,31.76 ; U10.9@41.174,65.675 41.203,65.703 41.203,68.615 v1(41.226,68.639) ; U1.47@46.008,69.828 46.012,69.833 46.879,69.833 v1(46.884,69.837)
  Bottom Layer w0.15: v1(37.169,30.583) 37.717,31.131 37.717,46.854 34.21,50.362 34.21,67.047 36.075,68.912 40.871,68.912 41.088,68.695 v1@41.169,68.695 ; v1(41.226,68.639) v1@41.169,68.695 ; v1(46.884,69.837) 46.881,69.834 42.308,69.834 v1@41.169,68.695
DA12: U1.38 U3.15 U11.9 | length 62.3
  Top Layer w0.15: v1(37.157,35.225) 37.184,35.197 37.184,34.159 U3.15@37.198,34.146 ; U11.9@41.185,73.359 41.185,76.326 v1(41.189,76.329) ; U1.38@46.008,74.328 46.026,74.346 46.838,74.346 v1(46.856,74.364)
  Bottom Layer w0.15: v1(37.157,35.225) 37.157,35.306 37.041,35.422 37.041,35.445 36.917,35.568 36.917,35.934 37.067,36.084 37.067,37.649 36.383,38.333 36.383,39.073 36.687,39.377 36.687,42.077 35.849,42.916 35.849,45.384 34.83,46.403 34.83,46.766 32.21,49.387 32.21,67.89 33.892,69.573 33.892,75.008 35.413,76.529 40.951,76.529 41.151,76.329 42.949,76.329 44.917,74.362 46.853,74.362 v1(46.856,74.364)
DA13: U1.39 U3.16 U11.8 | length 62
  Top Layer w0.15: v1(37.317,35.768) 37.355,35.768 37.862,35.261 U3.16@37.862,34.159 ; v1(40.508,76.1) 40.522,76.086 40.522,73.357 U11.8@40.528,73.352 ; U1.39@46.008,73.828 46.013,73.822 46.907,73.822 v1(46.913,73.816)
  Bottom Layer w0.15: v1(37.317,35.768) 37.317,37.753 36.936,38.134 36.633,38.437 36.633,38.955 36.937,39.259 36.937,42.181 36.099,43.019 36.099,45.488 35.112,46.474 35.112,46.867 32.46,49.519 32.46,67.771 34.142,69.454 34.142,74.905 35.517,76.279 40.27,76.279 40.45,76.1 v1(40.508,76.1) ; v1@40.527,76.118 40.603,76.042 40.91,76.042 41.036,75.916 42.996,75.916 45.079,73.833 46.896,73.833 v1(46.913,73.816)
DA14: U1.72 U3.19 U8.8 | length 34.3
  Top Layer w0.15: U3.19@39.812,34.159 39.812,35.428 v1(40.139,35.755) ; U8.8@40.485,50.27 40.485,52.799 40.646,52.96 v1(40.646,53.041) ; U1.72@46.008,57.328 46.027,57.309 46.729,57.309 46.901,57.137 v1(46.976,57.137)
  Int2 (PWR) w0.15: v1(40.646,53.041) 40.727,53.041 40.913,52.854 44.388,52.854 44.523,52.989 44.523,56.383 45.277,57.137 v1(46.976,57.137)
  Bottom Layer w0.15: v1(40.139,35.755) 40.139,36.891 41.01,37.762 41.01,39.634 41.262,39.886 41.262,45.556 41.818,46.113 41.818,47.703 40.646,48.876 v1(40.646,53.041)
DA15: U1.71 U3.20 U8.9 | length 33.9
  Top Layer w0.15: U3.20@40.458,34.208 40.465,34.215 40.465,35.303 v1(40.467,35.305) ; U8.9@41.156,50.29 41.156,53.24 v1(41.171,53.254) ; U1.71@46.008,57.828 46.027,57.809 46.827,57.809 46.952,57.684 v1(47.027,57.684)
  Int2 (PWR) w0.15: v1(41.171,53.254) 41.228,53.197 41.597,53.197 41.689,53.104 44.185,53.104 44.273,53.192 44.273,56.487 45.471,57.684 v1(47.027,57.684)
  Bottom Layer w0.15: v1(40.467,35.305) 40.525,35.363 40.525,35.575 40.539,35.589 40.539,36.938 41.26,37.658 41.26,39.531 41.512,39.783 41.512,45.453 42.068,46.009 42.068,47.807 41.171,48.704 v1(41.171,53.254)
DA16: U1.66 U3.23 U9.5 | length 42.3
  Top Layer w0.15: U9.5@38.57,57.931 38.571,57.933 38.571,59.911 v1(38.572,59.913) ; U3.23@42.407,34.114 v1@42.407,35.336 ; U1.66@46.008,60.328 46.027,60.347 46.811,60.347 46.899,60.435 v1(46.98,60.435)
  Bottom Layer w0.15: v1(42.423,35.346) 43.393,36.316 43.393,55.793 41.027,58.159 39.739,58.159 38.572,59.326 v1(38.572,59.913) 38.591,59.932 38.591,60.363 40.457,62.228 42.02,62.228 43.851,60.397 46.942,60.397 v1(46.98,60.435)
DA17: U1.65 U3.2 U9.4 | length 40.5
  Top Layer w0.15: v1(37.918,59.673) 37.919,59.672 37.919,57.932 U9.4@37.92,57.931 ; U3.2@42.412,39.859 42.412,38.773 42.813,38.372 v1(42.873,38.372) ; U1.65@46.008,60.828 46.852,60.828 47.007,60.983 v1(47.024,60.983)
  Bottom Layer w0.15: v1(42.873,38.372) 43.143,38.643 43.143,55.689 40.923,57.909 38.851,57.909 37.919,58.841 37.919,59.672 v1(37.918,59.673) 37.963,59.719 37.963,60.123 40.38,62.54 42.946,62.54 44.503,60.983 v1(47.024,60.983)
DA18: U1.81 U3.5 U8.7 | length 35.5
  Top Layer w0.15: U8.7@39.847,50.28 39.847,52.326 39.96,52.439 39.96,52.793 v1(40.017,52.851) ; U3.5@40.459,39.801 40.459,38.798 40.606,38.651 v1(40.61,38.651) ; v1(51.849,56.674) 51.853,56.669 51.853,55.483 U1.81@51.858,55.478
  Int2 (PWR) w0.15: v1(40.017,52.851) 40.098,52.851 40.345,52.604 50.466,52.604 51.851,53.99 51.851,56.671 v1(51.849,56.674)
  Bottom Layer w0.15: v1(40.017,52.851) 40.017,49.15 41.568,47.6 41.568,46.216 41.012,45.66 41.012,39.99 40.61,39.588 v1(40.61,38.651)
DA19: U1.82 U3.6 U8.6 | length 36.5
  Top Layer w0.15: U8.6@39.188,50.271 39.188,52.083 39.278,52.173 39.278,52.547 v1(39.335,52.604) ; U3.6@39.812,39.859 39.812,38.689 40.134,38.367 v1(40.139,38.367) ; U1.82@52.358,55.478 52.359,55.479 52.359,56.365 v1(52.36,56.367)
  Int2 (PWR) w0.15: v1(39.335,52.604) 39.453,52.55 39.752,52.55 39.948,52.354 50.569,52.354 52.364,54.149 52.364,56.363 v1(52.36,56.367)
  Bottom Layer w0.15: v1(39.335,52.604) 39.335,49.479 40.717,48.097 40.717,48.094 41.318,47.494 41.318,46.32 40.762,45.764 40.762,40.094 40.139,39.471 v1(40.139,38.367)
DA20: U1.41 U3.9 U11.6 | length 58.1
  Top Layer w0.15: v1(37.317,38.318) 37.375,38.376 37.653,38.376 37.862,38.585 U3.9@37.862,39.859 ; U11.6@39.222,73.346 39.222,75.38 39.249,75.407 39.249,75.56 v1(39.306,75.617) ; U1.41@46.008,72.828 46.016,72.82 46.921,72.82 v1(46.93,72.811)
  Bottom Layer w0.15: v1(37.317,38.318) 37.375,38.376 37.375,38.565 37.439,38.63 37.439,42.386 36.599,43.226 36.599,45.695 35.637,46.657 35.637,47.147 32.96,49.824 32.96,67.564 34.642,69.247 34.642,74.698 35.724,75.779 39.068,75.779 39.224,75.623 39.322,75.623 39.385,75.56 39.673,75.56 39.817,75.416 42.789,75.416 45.383,72.821 46.919,72.821 v1(46.93,72.811)